# Allegro board 8880F5-0826_3.brd (continued)
## Routing (per net, layer and track width the routed paths; a pad name or vN(x,y) marks a point on that pad's centre or on a via; arc(x,y) is an arc through that point) (continued)
D10701: length 236.2
  TOP w0.086: v1(310.98,176.32) 311.43,176.77 312.68,176.77 313.62,177.71 317.6,177.71 317.68,177.63 SITE4.172
  L03_SIGNAL w0.071: D107.01 383.51,53.37 383.51,50.06 382.79,49.35 379.09,49.35 374.83,53.61 374.83,115.68 385.69,126.54 385.69,140.58 383.8,142.48 383.8,171.12 381.82,173.11 381.82,174.11 381.89,174.18 v1(382.29,174.18)
  L28_SIGNAL w0.071: v1(310.98,176.32) 310.98,176.72 311.05,176.79 327.12,176.79 329.36,179.03 334.09,179.03 338.63,183.56 346.1,183.56 348.56,181.1 348.56,177.27 350.19,175.64 359.38,175.64 362.44,172.57 381.27,172.57 381.82,173.11 381.82,174.11 381.89,174.18 v1(382.29,174.18)
D10702: length 304.1
  TOP w0.086: SITE4.6 324.23,171.48 324.15,171.4 324.15,170.57 319.24,165.66 319.24,162.51 v1(319.69,162.06)
  L03_SIGNAL w0.071: D107.02 386.04,60.92 386.04,61.79 385.55,62.27 379.63,62.27 378.2,63.7 378.2,114.77 388.31,124.88 388.31,141.48 384.99,144.8 384.99,187.49 387.86,190.36 387.86,195.42 387.5,195.78 386.6,195.78 386.52,195.71 v1(386.52,195.31)
  L28_SIGNAL w0.071: v1(386.52,195.31) 386.52,195.71 386.6,195.78 387.74,195.78 388.09,196.12 388.09,198.11 387.48,198.72 384.09,198.72 377.55,192.18 361.38,192.18 360.35,191.15 356.96,191.15 356.64,191.47 356.64,192.16 356.18,192.62 352.85,192.62 350.38,195.09 325.89,195.09 323.57,192.77 318.82,192.77 313.33,187.28 313.33,183.32 312.45,182.45 307.57,182.45 305.02,179.9 305.02,162.02 308.2,158.84 317.64,158.84 319.22,160.42 319.22,161.99 319.29,162.06 v1(319.69,162.06)
D10703: length 236.5
  TOP w0.086: SITE4.171 317.68,178.03 317.6,177.95 313.52,177.95 312.58,177.01 311.43,177.01 v1(310.98,177.46)
  L03_SIGNAL w0.071: v1(381.15,174.18) 381.55,174.18 381.62,174.11 381.62,173.02 383.6,171.04 383.6,142.39 385.5,140.5 385.5,126.62 374.64,115.76 374.64,53.53 379.01,49.15 382.88,49.15 383.7,49.98 383.7,53.5 D107.03
  L28_SIGNAL w0.071: v1(310.98,177.46) 310.98,177.06 311.05,176.99 327.04,176.99 329.27,179.22 334.01,179.22 338.55,183.76 346.18,183.76 348.76,181.18 348.76,177.35 350.27,175.84 359.46,175.84 362.53,172.77 381.19,172.77 381.62,173.2 381.62,174.11 381.55,174.18 v1(381.15,174.18)
D10704: length 302.7
  TOP w0.086: v1(318.55,162.06) 319,162.51 319,165.76 323.91,170.67 323.91,171.4 323.83,171.48 SITE4.5
  L03_SIGNAL w0.071: v1(386.52,196.45) 386.52,196.05 386.6,195.98 387.58,195.98 388.05,195.51 388.05,190.27 385.19,187.41 385.19,144.88 388.51,141.56 388.51,124.8 378.4,114.69 378.4,63.78 379.71,62.47 385.63,62.47 386.24,61.87 386.24,60.8 D107.04
  L28_SIGNAL w0.071: v1(318.55,162.06) 318.95,162.06 319.02,161.99 319.02,160.5 317.55,159.03 308.28,159.03 305.21,162.1 305.21,179.82 307.65,182.25 312.54,182.25 313.52,183.24 313.52,187.2 318.9,192.57 323.66,192.57 325.97,194.89 350.29,194.89 352.77,192.42 356.1,192.42 356.44,192.08 356.44,191.39 356.87,190.96 360.43,190.96 361.46,191.98 377.63,191.98 384.17,198.52 387.39,198.52 387.89,198.03 387.89,196.21 387.66,195.98 386.6,195.98 386.52,196.05 v1(386.52,196.45)
D10713: length 285.7
  TOP w0.086: SITE4.170 317.68,178.43 317.6,178.51 308.05,178.51 v1(307.59,178.06)
  L03_SIGNAL w0.071: D107.13 413.95,53.41 413.95,50.13 415.08,49.01 422.35,49.01 427.83,54.49 427.83,105.58 422.55,110.86 422.55,131.79 411.28,143.07 411.28,146.6 405.35,152.52 402.25,152.52 399.07,155.7 399.07,174.88 397.89,176.07 395.5,176.07 395.03,176.55 395.03,177.28 395.1,177.36 v1(395.5,177.36)
  L28_SIGNAL w0.071: v1(395.5,177.36) 395.1,177.36 395.02,177.28 395.02,176.3 394.58,175.86 387.9,175.86 385.21,178.54 379.26,178.54 377.22,176.5 351.58,176.5 350.08,178 350.08,186.98 347.2,189.86 322.62,189.86 319.88,187.12 319.88,181.46 316.95,178.53 307.67,178.53 307.59,178.46 v1(307.59,178.06)
D10714: length 270.9
  TOP w0.086: SITE4.168 317.68,179.23 317.6,179.31 313.35,179.31 312.18,180.49 311.43,180.49 v1(310.98,180.03)
  L03_SIGNAL w0.071: v1(395.5,190.94) 395.1,190.94 395.03,191.02 395.03,192.01 394.27,192.76 393.11,192.76 392.22,191.87 392.22,152.93 407.34,137.81 407.34,121.6 424.75,104.19 424.75,63.38 423.73,62.36 416.97,62.36 416.49,61.89 416.49,60.89 D107.14
  L28_SIGNAL w0.071: v1(310.98,180.03) 310.98,180.43 311.05,180.51 314.57,180.51 315.99,181.93 318.02,181.93 318.95,182.85 318.95,188.01 322.42,191.48 347.54,191.48 351.15,187.87 355.07,187.87 357.3,190.1 360.42,190.1 362.69,187.84 371.69,187.84 375.83,183.7 389.53,183.7 395.02,189.19 395.02,190.87 395.1,190.94 v1(395.5,190.94)
D10715: length 284.7
  TOP w0.086: SITE4.169 317.68,178.83 317.6,178.75 308.05,178.75 v1(307.59,179.2)
  L03_SIGNAL w0.071: D107.15 414.15,53.47 414.15,50.21 415.16,49.21 422.27,49.21 427.63,54.57 427.63,105.5 422.35,110.78 422.35,131.71 411.08,142.99 411.08,146.51 405.27,152.32 402.17,152.32 398.88,155.61 398.88,174.8 397.8,175.87 395.42,175.87 394.83,176.46 394.83,177.28 394.76,177.36 v1(394.35,177.36)
  L28_SIGNAL w0.071: v1(394.35,177.36) 394.76,177.36 394.83,177.28 394.83,176.38 394.5,176.05 387.98,176.05 385.29,178.74 379.18,178.74 377.14,176.7 351.66,176.7 350.28,178.08 350.28,187.06 347.28,190.06 322.54,190.06 319.68,187.2 319.68,181.54 316.87,178.73 307.67,178.73 307.59,178.8 v1(307.59,179.2)
D10716: length 269.9
  TOP w0.086: v1(310.98,181.18) 311.43,180.72 312.28,180.72 313.45,179.55 317.6,179.55 317.68,179.63 SITE4.167
  L03_SIGNAL w0.071: D107.16 416.69,60.83 416.69,61.8 417.05,62.16 423.81,62.16 424.94,63.3 424.94,104.28 407.54,121.68 407.54,137.89 392.42,153.01 392.42,191.79 393.19,192.56 394.19,192.56 394.83,191.92 394.83,191.02 394.76,190.94 v1(394.35,190.94)
  L28_SIGNAL w0.071: v1(394.35,190.94) 394.76,190.94 394.83,190.87 394.83,189.28 389.45,183.89 375.91,183.89 371.77,188.03 362.77,188.03 360.5,190.3 357.22,190.3 354.98,188.07 351.23,188.07 347.62,191.68 322.34,191.68 318.75,188.09 318.75,182.93 317.94,182.12 315.91,182.12 314.49,180.7 311.05,180.7 310.98,180.77 v1(310.98,181.18)
D10801: length 207.8
  TOP w0.086: SITE4.10 325.83,171.48 325.75,171.4 325.75,168.95 323.58,166.78 323.58,162.51 v1(324.03,162.06)
  L03_SIGNAL w0.071: D108.01 383.49,33.07 383.49,30.59 382.51,29.61 374.13,29.61 355.61,48.13 355.61,131.46 355.91,131.77 356.99,131.77 357.06,131.7 v1(357.06,131.3)
  L28_SIGNAL w0.071: v1(357.06,131.3) 357.06,131.7 357.13,131.77 359.94,131.77 360.34,131.38 360.34,129.97 359.59,129.22 336.01,129.22 331.19,134.05 331.19,145.26 323.56,152.89 323.56,161.99 323.63,162.06 v1(324.03,162.06)
D10802: length 329.2
  TOP w0.086: v1(321.88,159.32) 321.42,159.77 321.42,166.55 324.95,170.08 324.95,171.4 325.03,171.48 SITE4.8
  L03_SIGNAL w0.071: D108.02 385.99,40.55 385.99,43.23 384.79,44.42 376.55,44.42 369.32,51.65 369.32,131.71 373.42,135.81 373.42,155.04 370.43,158.04 370.43,172.14 378.81,180.53 378.81,191.2 374.24,195.78 373.01,195.78 372.94,195.71 v1(372.94,195.31)
  L28_SIGNAL w0.071: v1(321.88,159.32) 321.47,159.32 321.4,159.24 321.4,157.12 320.04,155.76 308.39,155.76 303.03,161.13 303.03,180.08 307.42,184.47 311.52,184.47 312.37,185.33 312.37,188.55 320.83,197.01 350.64,197.01 351.53,196.12 356.09,196.12 357.08,195.13 363.03,195.13 368.12,200.21 374.2,200.21 375.73,198.68 375.73,197.09 374.42,195.78 373.01,195.78 372.94,195.71 v1(372.94,195.31)
D10803: length 209.8
  TOP w0.086: SITE4.9 325.43,171.48 325.51,171.4 325.51,169.05 323.34,166.88 323.34,162.51 v1(322.89,162.06)
  L03_SIGNAL w0.071: v1(357.06,132.44) 357.06,132.04 356.99,131.97 355.83,131.97 355.41,131.55 355.41,48.05 374.05,29.41 382.59,29.41 383.68,30.5 383.68,33.16 D108.03
  L28_SIGNAL w0.071: v1(322.89,162.06) 323.29,162.06 323.36,161.99 323.36,152.81 330.99,145.18 330.99,133.97 335.93,129.02 359.67,129.02 360.53,129.88 360.53,131.46 360.02,131.97 357.13,131.97 357.06,132.04 v1(357.06,132.44)
D10804: length 327.9
  TOP w0.086: v1(320.73,159.32) 321.18,159.77 321.18,166.65 324.71,170.18 324.71,171.4 324.63,171.48 SITE4.7
  L03_SIGNAL w0.071: v1(372.94,196.45) 372.94,196.05 373.01,195.98 374.32,195.98 379.01,191.29 379.01,180.45 370.62,172.06 370.62,158.12 373.62,155.12 373.62,135.72 369.52,131.62 369.52,51.73 376.64,44.62 384.88,44.62 386.19,43.31 386.19,40.53 D108.04
  L28_SIGNAL w0.071: v1(372.94,196.45) 372.94,196.05 373.01,195.98 374.34,195.98 375.53,197.17 375.53,198.6 374.12,200.02 368.2,200.02 363.12,194.93 357,194.93 356,195.92 351.45,195.92 350.56,196.81 320.92,196.81 312.57,188.47 312.57,185.25 311.6,184.27 307.5,184.27 303.23,180 303.23,161.21 308.48,155.96 319.96,155.96 321.2,157.2 321.2,159.24 321.13,159.32 v1(320.73,159.32)
D10805: length 202.1
  TOP w0.086: SITE4.12 326.63,171.48 326.55,171.4 326.55,167.84 325.57,166.86 325.57,159.77 v1(326.02,159.32)
  L03_SIGNAL w0.071: D108.05 393.61,33.11 393.61,30.24 390.59,27.21 372.09,27.21 353.05,46.25 353.05,115.97 341.09,127.93 341.09,131.98 341.29,132.18 342.35,132.18 342.75,131.77 343.4,131.77 343.47,131.7 v1(343.47,131.3)
  L28_SIGNAL w0.071: v1(326.02,159.32) 325.62,159.32 325.55,159.24 325.55,154.82 345.06,135.3 345.06,132.17 344.67,131.77 343.54,131.77 343.47,131.7 v1(343.47,131.3)
D10806: length 246
  TOP w0.086: SITE4.176 317.68,176.03 317.6,176.11 316.22,176.11 312.94,172.83 311.43,172.83 v1(310.98,172.38)
  L03_SIGNAL w0.071: v1(382.29,160.59) 381.89,160.59 381.82,160.66 381.82,161.67 381.43,162.06 379.72,162.06 379.19,161.54 379.19,131.25 371.5,123.56 371.5,53.93 378.64,46.79 394.74,46.79 396.05,45.48 396.05,40.45 D108.06
  L28_SIGNAL w0.071: v1(382.29,160.59) 381.89,160.59 381.82,160.52 381.82,158.03 381.03,157.25 379.84,157.25 379.02,158.06 379.02,163.75 377.56,165.21 362.33,165.21 354.69,172.85 311.05,172.85 310.98,172.78 v1(310.98,172.38)
D10807: length 202.7
  TOP w0.086: v1(324.88,159.32) 325.33,159.77 325.33,166.96 326.31,167.94 326.31,171.4 326.23,171.48 SITE4.11
  L03_SIGNAL w0.071: v1(343.47,132.44) 343.47,132.04 343.4,131.97 342.84,131.97 342.43,132.38 341.21,132.38 340.9,132.06 340.9,127.85 352.85,115.89 352.85,46.17 372.01,27.01 390.67,27.01 393.81,30.15 393.81,33.13 D108.07
  L28_SIGNAL w0.071: v1(343.47,132.44) 343.47,132.04 343.54,131.97 344.58,131.97 344.86,132.25 344.86,135.22 325.35,154.73 325.35,159.24 325.28,159.32 v1(324.88,159.32)
D10808: length 245.1
  TOP w0.086: v1(310.98,173.52) 311.43,173.07 312.84,173.07 316.12,176.35 317.6,176.35 317.68,176.43 SITE4.175
  L03_SIGNAL w0.071: v1(381.15,160.59) 381.55,160.59 381.62,160.66 381.62,161.59 381.34,161.86 379.8,161.86 379.39,161.45 379.39,131.17 371.7,123.48 371.7,54.01 378.72,46.99 394.83,46.99 396.25,45.56 396.25,40.63 D108.08
  L28_SIGNAL w0.071: v1(381.15,160.59) 381.55,160.59 381.62,160.52 381.62,158.11 380.95,157.44 379.92,157.44 379.22,158.14 379.22,163.83 377.65,165.41 362.41,165.41 354.77,173.05 311.05,173.05 310.98,173.12 v1(310.98,173.52)
D10809: length 325.2
  TOP w0.086: v1(307.59,174.42) 308.05,174.88 312.6,174.88 314.63,176.91 317.6,176.91 317.68,176.83 SITE4.174
  L03_SIGNAL w0.071: D108.09 403.77,33.11 403.77,29.65 406.74,26.68 422.81,26.68 442.45,46.33 442.45,149.32 415.69,176.08 408.86,176.08 408.49,176.45 408.49,177.28 408.56,177.36 v1(408.96,177.36)
  L28_SIGNAL w0.071: v1(408.96,177.36) 408.56,177.36 408.49,177.28 408.49,176.35 407.94,175.8 402.23,175.8 395.83,169.4 361.85,169.4 357.08,174.17 322.89,174.17 322.16,174.9 307.67,174.9 307.59,174.83 v1(307.59,174.42)
D10810: length 395.1
  TOP w0.086: SITE4.16 328.23,171.48 328.15,171.4 328.15,163.49 329.52,162.12 329.52,159.77 v1(329.98,159.32)
  L03_SIGNAL w0.071: D108.10 406.28,40.52 406.28,43.76 408.71,46.18 424.79,46.18 436.4,57.79 436.4,134.73 422.87,148.25 413.37,148.25 403.14,158.48 403.14,190.64 399.68,194.1 392.16,194.1 390.49,195.78 389.52,195.78 389.45,195.71 v1(389.45,195.31)
  L28_SIGNAL w0.071: v1(389.45,195.31) 389.45,195.71 389.52,195.78 390.91,195.78 393.2,193.48 414.68,193.48 419.91,188.26 419.91,183.47 425.54,177.83 425.54,156.03 422.97,153.45 375.15,153.45 373.68,154.92 360.8,154.92 359.64,156.08 331.11,156.08 329.5,157.68 329.5,159.24 329.57,159.32 v1(329.98,159.32)
D10811: length 324.2
  TOP w0.086: SITE4.173 317.68,177.23 317.6,177.15 314.53,177.15 312.5,175.12 308.05,175.12 v1(307.59,175.57)
  L03_SIGNAL w0.071: v1(407.82,177.36) 408.22,177.36 408.29,177.28 408.29,176.37 408.78,175.88 415.61,175.88 442.26,149.23 442.26,46.41 422.72,26.88 406.82,26.88 403.97,29.73 403.97,33.13 D108.11
  L28_SIGNAL w0.071: v1(407.82,177.36) 408.22,177.36 408.29,177.28 408.29,176.43 407.86,176 402.15,176 395.74,169.6 361.93,169.6 357.16,174.37 322.97,174.37 322.24,175.1 307.67,175.1 307.59,175.17 v1(307.59,175.57)
D10812: length 396.5
  TOP w0.086: v1(328.83,159.32) 329.28,159.77 329.28,162.02 327.91,163.39 327.91,171.4 327.83,171.48 SITE4.15
  L03_SIGNAL w0.071: v1(389.45,196.45) 389.45,196.05 389.52,195.98 390.57,195.98 392.25,194.3 399.76,194.3 403.34,190.72 403.34,158.56 413.45,148.45 422.95,148.45 436.6,134.81 436.6,57.71 424.87,45.98 408.79,45.98 406.48,43.67 406.48,40.56 D108.12
  L28_SIGNAL w0.071: v1(389.45,196.45) 389.45,196.05 389.52,195.98 390.99,195.98 393.29,193.68 414.77,193.68 420.1,188.34 420.1,183.55 425.74,177.91 425.74,155.95 423.05,153.25 375.07,153.25 373.6,154.72 360.72,154.72 359.56,155.88 331.03,155.88 329.3,157.6 329.3,159.24 329.23,159.32 v1(328.83,159.32)
D10813: length 385.6
  TOP w0.086: SITE4.2 322.63,171.48 322.55,171.4 322.55,171.04 321.9,170.39 308.05,170.39 v1(307.59,169.94)
  L03_SIGNAL w0.071: D108.13 413.93,33.11 413.93,30.08 415.24,28.77 421.54,28.77 440.36,47.6 440.36,134.81 406.64,168.53 406.64,187.63 408.49,189.48 408.49,190.87 408.56,190.94 v1(408.96,190.94)
  L28_SIGNAL w0.071: v1(307.59,169.94) 307.59,170.34 307.67,170.41 324.44,170.41 326.8,168.06 341.14,168.06 343.63,170.55 353.9,170.55 363.14,161.31 374.04,161.31 379.39,155.96 422.84,155.96 424.57,157.69 424.57,176.27 414.16,186.67 411.2,186.67 408.49,189.39 408.49,190.87 408.56,190.94 v1(408.96,190.94)
D10814: length 375.9
  TOP w0.086: v1(327.8,162.06) 327.35,162.51 327.35,171.4 327.43,171.48 SITE4.14
  L03_SIGNAL w0.071: D108.14 416.42,40.5 416.42,42.35 418.12,44.04 428.49,44.04 438.42,53.98 438.42,135.01 405.22,168.21 405.22,195.03 404.47,195.78 403.11,195.78 403.03,195.71 v1(403.03,195.31)
  L28_SIGNAL w0.071: v1(327.8,162.06) 327.4,162.06 327.33,161.99 327.33,157.35 331.69,152.99 338.27,152.99 338.95,153.67 356.54,153.67 357.8,152.41 364.31,152.41 367.65,149.07 409.92,149.07 412.36,151.52 423.41,151.52 428.29,156.4 428.29,189.95 422.47,195.78 403.11,195.78 403.03,195.71 v1(403.03,195.31)
D10815: length 384.2
  TOP w0.086: SITE4.1 322.23,171.48 322.31,171.4 322.31,171.14 321.8,170.63 308.05,170.63 v1(307.59,171.09)
  L03_SIGNAL w0.071: v1(407.82,190.94) 408.22,190.94 408.29,190.87 408.29,189.57 406.44,187.72 406.44,168.45 440.16,134.73 440.16,47.68 421.45,28.97 415.32,28.97 414.13,30.16 414.13,33.13 D108.15
  L28_SIGNAL w0.071: v1(307.59,171.09) 307.59,170.68 307.67,170.61 324.53,170.61 326.88,168.26 341.06,168.26 343.55,170.75 353.98,170.75 363.22,161.51 374.13,161.51 379.48,156.16 422.76,156.16 424.37,157.77 424.37,176.19 414.08,186.48 411.12,186.48 408.29,189.31 408.29,190.87 408.22,190.94 v1(407.82,190.94)
D10816: length 377.2
  TOP w0.086: SITE4.13 327.03,171.48 327.11,171.4 327.11,162.51 v1(326.66,162.06)
  L03_SIGNAL w0.071: D108.16 416.62,40.58 416.62,42.26 418.2,43.84 428.57,43.84 438.62,53.89 438.62,135.09 405.42,168.29 405.42,195.11 404.56,195.98 403.11,195.98 403.03,196.05 v1(403.03,196.45)
  L28_SIGNAL w0.071: v1(403.03,196.45) 403.03,196.05 403.11,195.98 422.55,195.98 428.49,190.04 428.49,156.32 423.49,151.32 412.45,151.32 410,148.87 367.56,148.87 364.22,152.21 357.71,152.21 356.45,153.47 339.03,153.47 338.35,152.79 331.6,152.79 327.13,157.27 327.13,161.99 327.06,162.06 v1(326.66,162.06)
D10901: length 298.5
  TOP w0.086: v1(307.59,229.94) 308.05,230.39 321.9,230.39 322.55,231.04 322.55,231.4 322.63,231.48 SITE2.2
  L03_SIGNAL w0.071: v1(396.77,220.15) 396.37,220.15 396.3,220.08 396.3,219.31 396.79,218.82 398.55,218.82 400.47,220.74 400.47,243.37 425.55,268.46 425.55,336.95 423.75,338.75 420.77,338.75 419.25,337.22 419.25,335.13 D109.01
  L28_SIGNAL w0.071: v1(307.59,229.94) 307.59,230.34 307.67,230.41 322.72,230.41 325.45,233.15 364.91,233.15 385.02,253.26 392.92,253.26 393.34,252.84 393.34,219.39 394.66,218.07 395.46,218.07 396.3,218.9 396.3,220.08 396.37,220.15 v1(396.77,220.15)
D10902: length 205.9
  TOP w0.086: v1(329.98,219.32) 329.52,219.77 329.52,222.12 328.15,223.49 328.15,231.4 328.23,231.48 SITE2.16
  L03_SIGNAL w0.071: D109.02 416.59,327.69 416.59,320.99 419.73,317.85 419.73,277.2 399.69,257.16 399.69,233.01 389.69,223.01 389.69,222.13 389.76,222.06 v1(390.16,222.06)
  L28_SIGNAL w0.071: v1(329.98,219.32) 329.57,219.32 329.5,219.24 329.5,218.07 330.1,217.48 341.35,217.48 342.67,216.15 366.95,216.15 374.72,223.92 389.27,223.92 389.69,223.49 389.69,222.13 389.76,222.06 v1(390.16,222.06)
D10903: length 299.2
  TOP w0.086: v1(307.59,231.08) 308.05,230.63 321.8,230.63 322.31,231.14 322.31,231.4 322.23,231.48 SITE2.1
  L03_SIGNAL w0.071: D109.03 419.05,335.23 419.05,337.31 420.69,338.94 423.84,338.94 425.75,337.03 425.75,268.37 400.66,243.29 400.66,220.65 398.63,218.62 396.71,218.62 396.1,219.23 396.1,220.08 396.03,220.15 v1(395.62,220.15)
  L28_SIGNAL w0.071: v1(307.59,231.08) 307.59,230.68 307.67,230.61 322.63,230.61 325.37,233.35 364.83,233.35 384.94,253.46 393,253.46 393.54,252.92 393.54,219.47 394.74,218.26 395.38,218.26 396.1,218.98 396.1,220.08 396.03,220.15 v1(395.62,220.15)
D10904: length 205.8
  TOP w0.086: SITE2.15 327.83,231.48 327.91,231.4 327.91,223.39 329.28,222.02 329.28,219.77 v1(328.83,219.32)
  L03_SIGNAL w0.071: D109.04 416.4,327.82 416.4,320.91 419.53,317.77 419.53,277.28 399.5,257.25 399.5,233.09 389.49,223.09 389.49,222.13 389.42,222.06 v1(389.02,222.06)
  L28_SIGNAL w0.071: v1(389.02,222.06) 389.42,222.06 389.49,222.13 389.49,223.41 389.18,223.72 374.81,223.72 367.03,215.95 342.59,215.95 341.26,217.28 330.01,217.28 329.3,217.99 329.3,219.24 329.23,219.32 v1(328.83,219.32)
D10905: length 373
  TOP w0.086: SITE2.168 317.68,239.23 317.6,239.31 313.35,239.31 312.18,240.48 311.43,240.48 v1(310.98,240.03)
  L03_SIGNAL w0.071: v1(403.63,235.9) 403.22,235.9 403.15,235.83 403.15,234.96 403.44,234.67 404.82,234.67 405.38,235.22 405.38,238.63 414.01,247.27 416.67,247.27 436.21,266.82 436.21,336.35 430.85,341.71 411.64,341.71 409.06,339.13 409.06,335.16 D109.05
  L28_SIGNAL w0.071: v1(403.63,235.9) 403.22,235.9 403.15,235.83 403.15,234.89 403.73,234.32 408.53,234.32 421.24,247.03 421.24,288.16 418.98,290.42 416.49,290.42 402.99,276.91 371.21,276.91 360.47,266.17 360.47,261.39 355.41,256.32 353.37,256.32 348.4,251.35 322.15,251.35 319.1,248.3 319.1,240.56 317.98,239.45 316.46,239.45 315.4,240.51 311.05,240.51 310.98,240.43 v1(310.98,240.03)
D10906: length 246
  TOP w0.086: SITE2.176 317.68,236.03 317.6,236.11 316.22,236.11 312.94,232.83 311.43,232.83 v1(310.98,232.38)
  L03_SIGNAL w0.071: v1(383.31,206.31) 382.9,206.31 382.83,206.38 382.83,207.22 387.68,212.07 387.68,226.81 397.74,236.88 397.74,270.13 406.52,278.91 406.52,327.78 D109.06
  L28_SIGNAL w0.071: v1(310.98,232.38) 310.98,232.78 310.91,232.85 307.2,232.85 305.12,230.77 305.12,222.51 315.23,212.4 341.8,212.4 342.4,211.81 362.9,211.81 366.73,207.97 382.25,207.97 382.83,207.38 382.83,206.38 382.9,206.31 v1(383.31,206.31)
D10907: length 375.3
  TOP w0.086: SITE2.167 317.68,239.63 317.6,239.55 313.45,239.55 312.28,240.72 311.43,240.72 v1(310.98,241.18)
  L03_SIGNAL w0.071: D109.07 408.86,335.2 408.86,339.22 411.55,341.91 430.93,341.91 436.41,336.43 436.41,266.73 416.75,247.07 414.1,247.07 405.58,238.55 405.58,235.14 404.9,234.47 403.36,234.47 402.95,234.87 402.95,235.83 402.88,235.9 v1(402.48,235.9)
  L28_SIGNAL w0.071: v1(402.48,235.9) 402.88,235.9 402.95,235.83 402.95,234.81 403.65,234.12 408.61,234.12 421.44,246.95 421.44,288.25 419.06,290.62 416.41,290.62 402.9,277.11 371.13,277.11 360.28,266.26 360.28,261.47 355.33,256.52 353.29,256.52 348.32,251.55 322.07,251.55 318.9,248.38 318.9,240.64 317.9,239.64 316.54,239.64 315.48,240.7 311.05,240.7 310.98,240.77 v1(310.98,241.18)
D10908: length 246.3
  TOP w0.086: v1(310.98,233.52) 311.43,233.07 312.84,233.07 316.12,236.35 317.6,236.35 317.68,236.43 SITE2.175
  L03_SIGNAL w0.071: v1(382.16,206.31) 382.56,206.31 382.63,206.38 382.63,207.3 387.48,212.15 387.48,226.89 397.55,236.96 397.55,270.21 406.32,278.99 406.32,327.74 D109.08
  L28_SIGNAL w0.071: v1(382.16,206.31) 382.56,206.31 382.63,206.38 382.63,207.3 382.16,207.77 366.65,207.77 362.82,211.61 342.31,211.61 341.72,212.2 315.14,212.2 304.92,222.43 304.92,230.85 307.11,233.05 310.91,233.05 310.98,233.12 v1(310.98,233.52)
D10909: length 367.3
  TOP w0.086: v1(310.98,236.32) 311.43,236.77 312.68,236.77 313.62,237.71 317.6,237.71 317.68,237.63 SITE2.172
  L03_SIGNAL w0.071: D109.09 398.89,335.17 398.89,338.54 395.9,341.54 377.38,341.54 374.36,338.52 374.36,315.23 379.79,309.8 379.79,219.15 381.01,217.94 382.04,217.94 382.83,218.73 382.83,219.83 382.9,219.9 v1(383.31,219.9)
  L28_SIGNAL w0.071: v1(383.31,219.9) 382.9,219.9 382.83,219.83 382.83,218.62 386.49,214.97 386.49,206.87 391.93,201.43 395.53,201.43 399.18,205.08 399.18,252.01 396.06,255.13 383.35,255.13 372.79,244.58 367.98,244.58 359.05,235.65 349.63,235.65 348.57,236.71 348.57,246.2 345.32,249.46 327.88,249.46 325.63,247.2 325.63,239.45 322.97,236.79 311.05,236.79 310.98,236.72 v1(310.98,236.32)
D10910: length 197.4
  TOP w0.086: v1(326.02,219.32) 325.57,219.77 325.57,226.86 326.55,227.84 326.55,231.4 326.63,231.48 SITE2.12
  L03_SIGNAL w0.071: v1(390.16,238.32) 389.76,238.32 389.69,238.39 389.69,239.72 394.5,244.53 394.5,320.05 396.38,321.92 396.38,327.8 D109.10
  L28_SIGNAL w0.071: v1(390.16,238.32) 389.76,238.32 389.69,238.39 389.69,239.66 390.06,240.03 390.82,240.03 391.46,239.39 391.46,233.42 384.64,226.6 375.06,226.6 366.76,218.3 346.84,218.3 344.46,220.68 328.12,220.68 327.1,219.66 327.1,218.2 326.81,217.91 325.69,217.91 325.55,218.05 325.55,219.24 325.62,219.32 v1(326.02,219.32)
D10911: length 367
  TOP w0.086: v1(310.98,237.46) 311.43,237.01 312.58,237.01 313.52,237.95 317.6,237.95 317.68,238.03 SITE2.171
  L03_SIGNAL w0.071: v1(382.16,219.9) 382.56,219.9 382.63,219.83 382.63,218.81 381.96,218.14 381.09,218.14 379.99,219.24 379.99,309.88 374.56,315.31 374.56,338.44 377.47,341.34 395.81,341.34 398.69,338.46 398.69,335.19 D109.11
  L28_SIGNAL w0.071: v1(310.98,237.46) 310.98,237.06 311.05,236.99 322.89,236.99 325.43,239.53 325.43,247.28 327.8,249.65 345.4,249.65 348.77,246.28 348.77,236.79 349.71,235.85 358.97,235.85 367.9,244.78 372.71,244.78 383.27,255.33 396.14,255.33 399.37,252.1 399.37,204.99 395.61,201.23 391.84,201.23 386.29,206.79 386.29,214.88 382.63,218.54 382.63,219.83 382.56,219.9 v1(382.16,219.9)
D10912: length 198.7
  TOP w0.086: v1(324.88,219.32) 325.33,219.77 325.33,226.96 326.31,227.94 326.31,231.4 326.23,231.48 SITE2.11
  L03_SIGNAL w0.071: D109.12 396.18,327.72 396.18,322.01 394.3,320.13 394.3,244.61 389.49,239.8 389.49,238.39 389.42,238.32 v1(389.02,238.32)
  L28_SIGNAL w0.071: v1(324.88,219.32) 325.28,219.32 325.35,219.24 325.35,217.97 325.61,217.71 326.89,217.71 327.3,218.12 327.3,219.58 328.2,220.49 344.38,220.49 346.76,218.1 366.84,218.1 375.14,226.4 384.72,226.4 391.66,233.34 391.66,239.47 390.9,240.23 389.98,240.23 389.49,239.74 389.49,238.39 389.42,238.32 v1(389.02,238.32)
D10913: length 217.8
  TOP w0.086: v1(327.8,222.06) 327.35,222.51 327.35,231.4 327.43,231.48 SITE2.14
  L03_SIGNAL w0.071: D109.13 388.75,335.15 388.75,337.39 386.78,339.35 379.18,339.35 376.72,336.9 376.72,320.07 386.36,310.43 386.36,272.58 384.26,270.47 384.26,255.56 385.99,253.83 385.99,234.49 386.56,233.91 388.98,233.91 389.69,234.62 389.69,235.58 389.76,235.65 v1(390.16,235.65)
  L28_SIGNAL w0.071: v1(327.8,222.06) 327.4,222.06 327.33,222.13 327.33,225.65 328.91,227.24 342.09,227.24 344.93,230.08 361.4,230.08 363.79,227.7 382.46,227.7 389.69,234.92 389.69,235.58 389.76,235.65 v1(390.16,235.65)
D10914: length 187.2
  TOP w0.086: v1(324.03,222.06) 323.58,222.51 323.58,226.78 325.75,228.95 325.75,231.4 325.83,231.48 SITE2.10
  L03_SIGNAL w0.071: D109.14 386.18,327.76 386.18,319.71 393.32,312.57 393.32,261.91 388.89,257.48 388.89,256.4 389.69,255.6 389.69,251.98 389.76,251.9 v1(390.16,251.9)
  L28_SIGNAL w0.071: v1(324.03,222.06) 323.63,222.06 323.56,222.13 323.56,225.58 326.48,228.5 340.53,228.5 343.09,231.07 363.46,231.07 365.11,229.42 375.74,229.42 378.65,232.34 378.65,243.38 381.6,246.33 385.59,246.33 389.69,250.43 389.69,251.83 389.76,251.9 v1(390.16,251.9)
D10915: length 216.6
  TOP w0.086: SITE2.13 327.03,231.48 327.11,231.4 327.11,222.51 v1(326.66,222.06)
  L03_SIGNAL w0.071: D109.15 388.55,335.21 388.55,337.31 386.7,339.16 379.26,339.16 376.92,336.82 376.92,320.15 386.56,310.51 386.56,272.5 384.45,270.39 384.45,255.65 386.19,253.91 386.19,234.57 386.64,234.11 388.9,234.11 389.49,234.7 389.49,235.58 389.42,235.65 v1(389.02,235.65)
  L28_SIGNAL w0.071: v1(389.02,235.65) 389.42,235.65 389.49,235.58 389.49,235 382.38,227.89 363.87,227.89 361.49,230.28 344.85,230.28 342,227.43 328.83,227.43 327.13,225.73 327.13,222.13 327.06,222.06 v1(326.66,222.06)
D10916: length 187.2
  TOP w0.086: SITE2.9 325.43,231.48 325.51,231.4 325.51,229.05 323.34,226.88 323.34,222.51 v1(322.89,222.06)
  L03_SIGNAL w0.071: v1(389.02,251.9) 389.42,251.9 389.49,251.98 389.49,255.52 388.69,256.32 388.69,257.56 393.13,261.99 393.13,312.48 385.98,319.63 385.98,327.76 D109.16
  L28_SIGNAL w0.071: v1(322.89,222.06) 323.29,222.06 323.36,222.13 323.36,225.66 326.4,228.7 340.44,228.7 343.01,231.27 363.55,231.27 365.19,229.62 375.66,229.62 378.45,232.42 378.45,243.46 381.52,246.53 385.51,246.53 389.49,250.51 389.49,251.83 389.42,251.9 v1(389.02,251.9)
D11001: length 367.8
  TOP w0.086: v1(307.59,234.42) 308.05,234.88 312.6,234.88 314.63,236.91 317.6,236.91 317.68,236.83 SITE2.174
  L03_SIGNAL w0.071: v1(396.77,206.57) 396.37,206.57 396.3,206.49 396.3,205.46 396.97,204.78 401.98,204.78 441.67,244.48 441.67,347.26 430.2,358.74 420.01,358.74 419.15,357.88 419.15,355.55 D110.01
  L28_SIGNAL w0.071: v1(396.77,206.57) 396.37,206.57 396.3,206.49 396.3,204.21 395.67,203.59 394.05,203.59 393.57,204.06 393.57,209.67 397.93,214.02 397.93,250.32 394.07,254.19 384.09,254.19 373.29,243.38 368.68,243.38 359.37,234.06 322.76,234.06 321.92,234.9 307.67,234.9 307.59,234.83 v1(307.59,234.42)
D11002: length 332.9
  TOP w0.086: v1(307.59,238.06) 308.05,238.51 317.6,238.51 317.68,238.43 SITE2.170
  L03_SIGNAL w0.071: D110.02 416.79,348.21 416.79,346.3 417.92,345.17 431.56,345.17 438.89,337.84 438.89,265.8 407.64,234.55 407.64,227.97 403.15,223.49 403.15,222.39 403.22,222.31 v1(403.63,222.31)
  L28_SIGNAL w0.071: v1(307.59,238.06) 307.59,238.46 307.67,238.53 318.66,238.53 320.18,240.04 320.18,247.73 322.8,250.36 347.39,250.36 349.85,247.89 349.85,238.57 351.31,237.11 358.08,237.11 366.76,245.79 371.81,245.79 382.04,256.02 396.95,256.02 400.17,252.8 400.17,221.5 401.39,220.28 402.49,220.28 403.15,220.94 403.15,222.24 403.22,222.31 v1(403.63,222.31)
D11003: length 368.7
  TOP w0.086: v1(307.59,235.57) 308.05,235.12 312.5,235.12 314.53,237.15 317.6,237.15 317.68,237.23 SITE2.173
  L03_SIGNAL w0.071: v1(395.62,206.57) 396.03,206.57 396.1,206.49 396.1,205.37 396.88,204.59 402.06,204.59 441.87,244.39 441.87,347.35 430.28,358.93 419.93,358.93 418.96,357.96 418.96,355.46 D110.03
  L28_SIGNAL w0.071: v1(395.62,206.57) 396.03,206.57 396.1,206.49 396.1,204.29 395.59,203.79 394.13,203.79 393.77,204.14 393.77,209.59 398.13,213.94 398.13,250.41 394.15,254.38 384.01,254.38 373.2,243.58 368.6,243.58 359.29,234.26 322.84,234.26 322.01,235.1 307.67,235.1 307.59,235.17 v1(307.59,235.57)
D11004: length 332.7
  TOP w0.086: v1(307.59,239.2) 308.05,238.75 317.6,238.75 317.68,238.83 SITE2.169
  L03_SIGNAL w0.071: D110.04 416.59,347.95 416.59,346.22 417.83,344.97 431.48,344.97 438.69,337.76 438.69,265.89 407.44,234.63 407.44,228.05 402.95,223.57 402.95,222.39 402.88,222.31 v1(402.48,222.31)
  L28_SIGNAL w0.071: v1(402.48,222.31) 402.88,222.31 402.95,222.24 402.95,221.02 402.41,220.48 401.47,220.48 400.37,221.59 400.37,252.89 397.03,256.22 381.96,256.22 371.73,245.99 366.67,245.99 357.99,237.31 351.39,237.31 350.05,238.65 350.05,247.98 347.47,250.56 322.72,250.56 319.98,247.81 319.98,240.13 318.58,238.73 307.67,238.73 307.59,238.8 v1(307.59,239.2)
D11013: length 256.5
  TOP w0.086: v1(321.88,219.32) 321.42,219.77 321.42,226.55 324.95,230.08 324.95,231.4 325.03,231.48 SITE2.8
  L03_SIGNAL w0.071: v1(376.45,221.81) 376.05,221.81 375.98,221.73 375.98,220.6 375.42,220.05 373.55,220.05 372.68,220.91 372.68,305.08 370.18,307.58 370.18,354.72 373.94,358.48 386.96,358.48 388.76,356.69 388.76,355.46 D110.13
  L28_SIGNAL w0.071: v1(376.45,221.81) 376.05,221.81 375.97,221.88 375.97,222.53 376.27,222.83 378.26,222.83 380.05,221.04 380.05,216.37 376.67,212.99 361.67,212.99 360.82,213.84 344.32,213.84 343.37,214.8 323.7,214.8 321.4,217.09 321.4,219.24 321.47,219.32 v1(321.88,219.32)
D11014: length 209.4
  TOP w0.086: SITE2.6 324.23,231.48 324.15,231.4 324.15,230.57 319.24,225.66 319.24,222.51 v1(319.69,222.06)
  L03_SIGNAL w0.071: v1(376.45,235.39) 376.05,235.39 375.97,235.47 375.97,236.28 376.44,236.75 377.52,236.75 378.41,237.64 378.41,307.17 373.54,312.03 373.54,340.87 376.91,344.24 383.95,344.24 386.21,346.5 386.21,348.11 D110.14
  L28_SIGNAL w0.071: v1(376.45,235.39) 376.05,235.39 375.98,235.32 375.98,234.19 372.65,230.86 365.69,230.86 364.26,232.29 327.02,232.29 319.22,224.49 319.22,222.13 319.29,222.06 v1(319.69,222.06)
D11015: length 256.6
  TOP w0.086: SITE2.7 324.63,231.48 324.71,231.4 324.71,230.18 321.18,226.65 321.18,219.77 v1(320.73,219.32)
  L03_SIGNAL w0.071: D110.15 388.56,355.54 388.56,356.6 386.88,358.29 374.02,358.29 370.38,354.64 370.38,307.66 372.88,305.16 372.88,221 373.63,220.25 375.34,220.25 375.78,220.68 375.78,221.73 375.71,221.81 v1(375.3,221.81)
  L28_SIGNAL w0.071: v1(320.73,219.32) 321.13,219.32 321.2,219.24 321.2,217.01 323.62,214.6 343.29,214.6 344.24,213.64 360.74,213.64 361.59,212.79 376.76,212.79 380.25,216.28 380.25,221.12 378.34,223.02 376.19,223.02 375.78,222.61 375.78,221.88 375.71,221.81 v1(375.3,221.81)
D11016: length 209.4
  TOP w0.086: SITE2.5 323.83,231.48 323.91,231.4 323.91,230.67 319,225.76 319,222.51 v1(318.55,222.06)
  L03_SIGNAL w0.071: D110.16 386.01,348.05 386.01,346.58 383.86,344.44 376.83,344.44 373.34,340.95 373.34,311.95 378.21,307.08 378.21,237.72 377.44,236.95 376.36,236.95 375.78,236.37 375.78,235.47 375.71,235.39 v1(375.3,235.39)
  L28_SIGNAL w0.071: v1(318.55,222.06) 318.95,222.06 319.02,222.13 319.02,224.57 326.94,232.49 364.34,232.49 365.77,231.06 372.57,231.06 375.78,234.27 375.78,235.32 375.71,235.39 v1(375.3,235.39)
D12501: length 376
  TOP w0.086: SITE1.170 237.68,238.43 237.6,238.51 228.05,238.51 v1(227.59,238.06)
  L03_SIGNAL w0.071: v1(198.18,257.03) 198.18,257.43 198.11,257.5 197.34,257.5 196.86,257.02 196.86,256.31 195.85,255.29 82.18,255.29 10.46,183.57 10.46,92.73 11.69,91.5 13.96,91.5 15.16,92.69 15.16,94.06 D125.01
  L28_SIGNAL w0.071: v1(198.18,257.03) 198.18,257.43 198.26,257.5 199.48,257.5 202.42,254.55 207.75,254.55 210.07,252.23 210.07,243.08 211.86,241.29 223.19,241.29 225.95,238.53 227.52,238.53 227.59,238.46 v1(227.59,238.06)
D12502: length 368
  TOP w0.086: SITE1.2 242.63,231.48 242.55,231.4 242.55,231.04 241.9,230.39 228.05,230.39 v1(227.59,229.94)
  L03_SIGNAL w0.071: D125.02 17.71,101.53 17.71,119.48 20.25,122.02 20.25,188.08 78.56,246.39 143.9,246.39 148.81,251.29 160.72,251.29 162.18,252.75 178.17,252.75 184.76,246.16 196.1,246.16 196.9,245.36 196.9,244.4 196.29,243.78 195.33,243.78 195.26,243.71 v1(195.26,243.31)
  L28_SIGNAL w0.071: v1(227.59,229.94) 227.59,230.34 227.52,230.41 225.39,230.41 223.72,228.74 223.72,227.58 222.7,226.56 211.56,226.56 204.56,233.57 204.56,241.66 200.32,245.89 197.6,245.89 196.96,245.25 196.96,244.37 196.38,243.78 195.33,243.78 195.26,243.71 v1(195.26,243.31)
D12503: length 377
  TOP w0.086: SITE1.169 237.68,238.83 237.6,238.75 228.05,238.75 v1(227.59,239.2)
  L03_SIGNAL w0.071: D125.03 15.36,94.1 15.36,92.61 14.05,91.3 11.61,91.3 10.26,92.65 10.26,183.65 82.1,255.49 195.76,255.49 196.67,256.39 196.67,257.11 197.26,257.7 198.11,257.7 198.18,257.77 v1(198.18,258.17)
  L28_SIGNAL w0.071: v1(198.18,258.17) 198.18,257.77 198.26,257.7 199.56,257.7 202.51,254.75 207.83,254.75 210.26,252.32 210.26,243.16 211.94,241.49 223.28,241.49 226.04,238.73 227.52,238.73 227.59,238.8 v1(227.59,239.2)
D12504: length 366.6
  TOP w0.086: SITE1.1 242.23,231.48 242.31,231.4 242.31,231.14 241.8,230.63 228.05,230.63 v1(227.59,231.08)
  L03_SIGNAL w0.071: D125.04 17.91,101.47 17.91,119.4 20.45,121.94 20.45,188 78.64,246.19 143.98,246.19 148.89,251.1 160.8,251.1 162.26,252.55 178.09,252.55 184.68,245.96 196.02,245.96 196.7,245.27 196.7,244.48 196.21,243.98 195.33,243.98 195.26,244.05 v1(195.26,244.46)
  L28_SIGNAL w0.071: v1(195.26,244.46) 195.26,244.05 195.33,243.98 196.3,243.98 196.76,244.45 196.76,245.33 197.52,246.09 200.41,246.09 204.75,241.74 204.75,233.65 211.65,226.76 222.61,226.76 223.52,227.66 223.52,228.82 225.31,230.61 227.52,230.61 227.59,230.68 v1(227.59,231.08)
D12505: length 397.6
  TOP w0.086: v1(230.98,240.03) 231.43,240.48 232.18,240.48 233.36,239.31 237.6,239.31 237.68,239.23 SITE1.168
  L03_SIGNAL w0.071: D125.05 25.3,94.08 25.3,91.89 21.58,88.16 10.18,88.16 7.63,90.71 7.63,185.7 81.6,259.66 208.56,259.66 210.72,257.5 211.7,257.5 211.77,257.43 v1(211.77,257.03)
  L28_SIGNAL w0.071: v1(230.98,240.03) 230.98,240.43 230.91,240.51 229.64,240.51 226.77,243.38 226.77,250.88 220.14,257.5 211.84,257.5 211.77,257.43 v1(211.77,257.03)
D12506: length 343.7
  TOP w0.086: v1(227.59,234.42) 228.05,234.88 232.6,234.88 234.63,236.91 237.6,236.91 237.68,236.83 SITE1.174
  L03_SIGNAL w0.071: D125.06 27.82,101.48 27.82,123.88 30.95,127.01 30.95,193.96 68.65,231.66 85.66,231.66 91.29,237.28 140.27,237.28 152.54,249.55 179.28,249.55 182.96,245.87 182.96,244.09 182.66,243.78 181.75,243.78 181.67,243.71 v1(181.67,243.31)
  L28_SIGNAL w0.071: v1(181.67,243.31) 181.67,243.71 181.75,243.78 182.84,243.78 186.56,247.5 201.98,247.5 212.1,237.37 222.46,237.37 224.94,234.9 227.52,234.9 227.59,234.83 v1(227.59,234.42)
D12507: length 398.5
  TOP w0.086: v1(230.98,241.18) 231.43,240.72 232.28,240.72 233.45,239.55 237.6,239.55 237.68,239.63 SITE1.167
  L03_SIGNAL w0.071: v1(211.77,258.17) 211.77,257.77 211.7,257.7 210.8,257.7 208.64,259.86 81.52,259.86 7.44,185.78 7.44,90.62 10.09,87.96 21.66,87.96 25.5,91.81 25.5,94.08 D125.07
  L28_SIGNAL w0.071: v1(211.77,258.17) 211.77,257.77 211.84,257.7 220.22,257.7 226.96,250.96 226.96,243.47 229.73,240.7 230.91,240.7 230.98,240.77 v1(230.98,241.18)
D12508: length 342.8
  TOP w0.086: SITE1.173 237.68,237.23 237.6,237.15 234.53,237.15 232.5,235.12 228.05,235.12 v1(227.59,235.57)
  L03_SIGNAL w0.071: v1(181.67,244.46) 181.67,244.05 181.75,243.98 182.57,243.98 182.76,244.17 182.76,245.79 179.2,249.36 152.62,249.36 140.35,237.09 91.37,237.09 85.75,231.46 68.74,231.46 31.15,193.88 31.15,126.93 28.02,123.8 28.02,101.52 D125.08
  L28_SIGNAL w0.071: v1(181.67,244.46) 181.67,244.05 181.75,243.98 182.76,243.98 186.47,247.7 202.06,247.7 212.19,237.57 222.55,237.57 225.02,235.1 227.52,235.1 227.59,235.17 v1(227.59,235.57)
D12509: length 373.1
  TOP w0.086: SITE1.6 244.23,231.48 244.15,231.4 244.15,230.57 239.24,225.66 239.24,222.51 v1(239.69,222.06)
  L03_SIGNAL w0.071: D125.09 35.47,94.07 35.47,92.85 40.11,88.21 53.73,88.21 57.32,91.81 57.32,178.58 87.63,208.89 129.45,208.89 160.86,240.29 206.84,240.29 210.34,243.78 211.95,243.78 212.03,243.71 v1(212.03,243.31)
  L28_SIGNAL w0.071: v1(239.69,222.06) 239.29,222.06 239.22,222.13 239.22,234.56 234.89,238.89 229.74,238.89 223.28,245.35 223.28,251.32 222.11,252.49 213.11,252.49 210.94,250.33 210.94,244.11 211.27,243.79 211.95,243.79 212.03,243.71 v1(212.03,243.31)
D12510: length 336.7
  TOP w0.086: SITE1.172 237.68,237.63 237.6,237.71 233.62,237.71 232.68,236.77 231.43,236.77 v1(230.98,236.32)
  L03_SIGNAL w0.071: D125.10 38.01,101.51 38.01,126.37 40.67,129.03 40.67,198.47 67.51,225.32 114.82,225.32 119.2,229.7 138.53,229.7 156.16,247.33 178.11,247.33 180.1,245.35 180.1,244.33 179.55,243.78 178.57,243.78 178.5,243.71 v1(178.5,243.31)
  L28_SIGNAL w0.071: v1(178.5,243.31) 178.5,243.71 178.57,243.78 179.55,243.78 180.21,244.45 180.21,247.25 182.22,249.26 202.04,249.26 210.81,240.49 222.11,240.49 225.82,236.79 230.91,236.79 230.98,236.72 v1(230.98,236.32)
D12511: length 371.8
  TOP w0.086: SITE1.5 243.83,231.48 243.91,231.4 243.91,230.67 239,225.76 239,222.51 v1(238.55,222.06)
  L03_SIGNAL w0.071: v1(212.03,244.46) 212.03,244.05 211.95,243.98 210.25,243.98 206.76,240.49 160.78,240.49 129.37,209.09 87.55,209.09 57.13,178.66 57.13,91.89 53.65,88.41 40.19,88.41 35.67,92.93 35.67,94.09 D125.11
  L28_SIGNAL w0.071: v1(238.55,222.06) 238.95,222.06 239.02,222.13 239.02,234.48 234.81,238.7 229.66,238.7 223.08,245.27 223.08,251.24 222.02,252.3 213.19,252.3 211.14,250.24 211.14,244.19 211.35,243.98 211.95,243.98 212.03,244.05 v1(212.03,244.46)
D12512: length 335.7
  TOP w0.086: v1(230.98,237.46) 231.43,237.01 232.58,237.01 233.52,237.95 237.6,237.95 237.68,238.03 SITE1.171
  L03_SIGNAL w0.071: v1(178.5,244.46) 178.5,244.05 178.57,243.98 179.47,243.98 179.9,244.41 179.9,245.26 178.03,247.13 156.24,247.13 138.61,229.5 119.29,229.5 114.91,225.12 67.59,225.12 40.86,198.39 40.86,128.95 38.21,126.29 38.21,101.49 D125.12
  L28_SIGNAL w0.071: v1(178.5,244.46) 178.5,244.05 178.57,243.98 179.46,243.98 180.01,244.53 180.01,247.34 182.13,249.46 202.12,249.46 210.89,240.69 222.19,240.69 225.9,236.99 230.91,236.99 230.98,237.06 v1(230.98,237.46)
D12513: length 354.7
  TOP w0.086: v1(241.88,219.32) 241.42,219.77 241.42,226.55 244.95,230.08 244.95,231.4 245.03,231.48 SITE1.8
  L03_SIGNAL w0.071: v1(198.44,243.31) 198.44,243.71 198.37,243.78 197.71,243.78 197.02,243.09 197.02,242.68 195.98,241.64 159.19,241.64 130.62,213.07 107.74,213.07 105.82,211.14 75.31,211.14 54.87,190.7 54.87,92.78 53.72,91.62 47.01,91.62 45.64,92.99 45.64,94.06 D125.13
  L28_SIGNAL w0.071: v1(241.88,219.32) 241.47,219.32 241.4,219.24 241.4,218.15 240.45,217.19 234.54,217.19 232.99,218.74 229.09,218.74 222.39,225.44 211.07,225.44 202.95,233.56 202.95,240.15 199.31,243.78 198.51,243.78 198.44,243.71 v1(198.44,243.31)
D12514: length 336.6
  TOP w0.086: SITE1.176 237.68,236.03 237.6,236.11 236.22,236.11 232.94,232.83 231.43,232.83 v1(230.98,232.38)
  L03_SIGNAL w0.071: v1(164.91,243.31) 164.91,243.71 164.98,243.78 165.87,243.78 166.34,244.25 166.34,245.64 165.8,246.19 160.08,246.19 134.83,220.94 97.4,220.94 96.01,222.34 69.52,222.34 49.98,202.8 49.98,130.27 48.17,128.46 48.17,101.51 D125.14
  L28_SIGNAL w0.071: v1(164.91,243.31) 164.91,243.71 164.98,243.78 165.98,243.78 168.12,241.65 187.17,241.65 192.21,246.69 201.34,246.69 206.18,241.85 206.18,235.08 208.65,232.62 213.32,232.62 215.98,229.95 223.48,229.95 226.38,232.85 230.91,232.85 230.98,232.78 v1(230.98,232.38)
D12515: length 354.1
  TOP w0.086: v1(240.73,219.32) 241.18,219.77 241.18,226.65 244.71,230.18 244.71,231.4 244.63,231.48 SITE1.7
  L03_SIGNAL w0.071: v1(198.44,244.46) 198.44,244.05 198.37,243.98 197.63,243.98 196.82,243.17 196.82,242.76 195.9,241.84 159.11,241.84 130.53,213.27 107.66,213.27 105.74,211.34 75.23,211.34 54.67,190.79 54.67,92.86 53.63,91.82 47.09,91.82 45.84,93.08 45.84,94.1 D125.15
  L28_SIGNAL w0.071: v1(240.73,219.32) 241.13,219.32 241.2,219.24 241.2,218.23 240.36,217.39 234.62,217.39 233.08,218.93 229.17,218.93 222.47,225.64 211.15,225.64 203.15,233.64 203.15,240.23 199.4,243.98 198.51,243.98 198.44,244.05 v1(198.44,244.46)
D12516: length 335.6
  TOP w0.086: SITE1.175 237.68,236.43 237.6,236.35 236.12,236.35 232.84,233.07 231.43,233.07 v1(230.98,233.52)
  L03_SIGNAL w0.071: D125.16 48.37,101.49 48.37,128.38 50.18,130.19 50.18,202.72 69.6,222.14 95.92,222.14 97.32,220.74 134.91,220.74 160.16,245.99 165.71,245.99 166.14,245.56 166.14,244.33 165.79,243.98 164.98,243.98 164.91,244.05 v1(164.91,244.46)
  L28_SIGNAL w0.071: v1(164.91,244.46) 164.91,244.05 164.98,243.98 166.07,243.98 168.2,241.85 187.09,241.85 192.13,246.89 201.42,246.89 206.38,241.93 206.38,235.17 208.73,232.82 213.4,232.82 216.06,230.15 223.4,230.15 226.3,233.05 230.91,233.05 230.98,233.12 v1(230.98,233.52)
D12609: length 379.5
  TOP w0.086: SITE1.12 246.63,231.48 246.55,231.4 246.55,227.84 245.57,226.86 245.57,219.77 v1(246.02,219.32)
  L03_SIGNAL w0.071: v1(164.91,229.6) 164.91,230 164.84,230.07 162.72,230.07 161.13,228.49 161.13,200.83 137.25,176.94 99.91,176.94 98.24,178.61 88.45,178.61 70.45,160.61 70.45,79.26 59.12,67.93 38.8,67.93 35.44,71.28 35.44,73.78 D126.09
  L28_SIGNAL w0.071: v1(164.91,229.6) 164.91,230 164.98,230.07 165.83,230.07 169.52,233.76 184.9,233.76 196.88,221.78 221.81,221.78 225.68,217.91 225.68,216.17 227.29,214.57 243.35,214.57 245.55,216.77 245.55,219.24 245.62,219.32 v1(246.02,219.32)
D12610: length 369.4
  TOP w0.086: SITE1.14 247.43,231.48 247.35,231.4 247.35,222.51 v1(247.8,222.06)
  L03_SIGNAL w0.071: v1(195.26,229.6) 195.26,230 195.33,230.07 196.4,230.07 196.92,230.59 196.92,236.69 194.4,239.2 162.81,239.2 124.77,201.16 95.52,201.16 60.45,166.08 60.45,91.21 55.28,86.05 41.21,86.05 37.99,82.83 37.99,81.17 D126.10
  L28_SIGNAL w0.071: v1(195.26,229.6) 195.26,230 195.33,230.07 196.43,230.07 196.76,229.75 196.76,228.45 198.52,226.69 208.01,226.69 211.06,223.64 222.09,223.64 227.82,217.91 227.82,216.2 228.35,215.67 240.53,215.67 243.18,218.32 243.18,219.56 241.52,221.22 241.52,222.63 242.51,223.62 247.74,223.62 249.38,221.99 249.38,221.02 248.82,220.46 247.95,220.46 247.33,221.08 247.33,221.99 247.4,222.06 v1(247.8,222.06)
D12611: length 378.9
  TOP w0.086: SITE1.11 246.23,231.48 246.31,231.4 246.31,227.94 245.33,226.96 245.33,219.77 v1(244.88,219.32)
  L03_SIGNAL w0.071: D126.11 35.64,73.74 35.64,71.37 38.88,68.13 59.04,68.13 70.25,79.34 70.25,160.69 88.37,178.81 98.32,178.81 99.99,177.14 137.16,177.14 160.94,200.91 160.94,228.57 162.63,230.27 164.84,230.27 164.91,230.34 v1(164.91,230.74)
  L28_SIGNAL w0.071: v1(244.88,219.32) 245.28,219.32 245.35,219.24 245.35,216.85 243.27,214.77 227.37,214.77 225.88,216.25 225.88,217.99 221.89,221.98 196.96,221.98 184.98,233.96 169.43,233.96 165.74,230.27 164.98,230.27 164.91,230.34 v1(164.91,230.74)
D12612: length 369.4
  TOP w0.086: SITE1.13 247.03,231.48 247.11,231.4 247.11,222.51 v1(246.66,222.06)
  L03_SIGNAL w0.071: D126.12 38.19,81.19 38.19,82.74 41.29,85.85 55.36,85.85 60.64,91.13 60.64,166 95.61,200.96 124.85,200.96 162.89,239.01 194.32,239.01 196.72,236.6 196.72,230.67 196.32,230.27 195.33,230.27 195.26,230.34 v1(195.26,230.74)
  L28_SIGNAL w0.071: v1(246.66,222.06) 247.06,222.06 247.13,221.99 247.13,221 247.87,220.26 248.9,220.26 249.58,220.94 249.58,222.07 247.83,223.82 242.43,223.82 241.32,222.71 241.32,221.14 242.98,219.48 242.98,218.4 240.44,215.87 228.43,215.87 228.01,216.28 228.01,218 222.17,223.84 211.14,223.84 208.09,226.88 198.6,226.88 196.96,228.53 196.96,229.83 196.52,230.27 195.33,230.27 195.26,230.34 v1(195.26,230.74)
D12613: length 376.9
  TOP w0.086: SITE1.10 245.83,231.48 245.75,231.4 245.75,228.95 243.58,226.78 243.58,222.51 v1(244.03,222.06)
  L03_SIGNAL w0.071: v1(178.5,229.6) 178.5,230 178.43,230.07 177.25,230.07 174.96,232.35 162.04,232.35 158.09,228.41 158.09,203.22 140.71,185.83 117.36,185.83 111.9,180.38 85.49,180.38 66.95,161.84 66.95,80 57.78,70.83 46.49,70.83 45.61,71.71 45.61,73.77 D126.13
  L28_SIGNAL w0.071: v1(244.03,222.06) 243.63,222.06 243.56,221.99 243.56,220.75 243.89,220.42 246.49,220.42 247.48,219.43 247.48,215.4 245.57,213.48 225.07,213.48 223.38,215.17 223.38,218.05 221.64,219.79 190.42,219.79 188.74,221.48 188.74,227.44 183.92,232.26 180.63,232.26 180.14,231.77 180.14,230.55 179.65,230.07 178.57,230.07 178.5,230 v1(178.5,229.6)
D12614: length 373
  TOP w0.086: SITE1.16 248.23,231.48 248.15,231.4 248.15,223.49 249.52,222.12 249.52,219.77 v1(249.98,219.32)
  L03_SIGNAL w0.071: D126.14 48.15,81.17 48.15,82.29 50,84.14 57.91,84.14 63.94,90.17 63.94,164.49 93.11,193.65 140.83,193.65 155.28,208.1 155.28,229.1 161.65,235.47 180.51,235.47 183.42,232.56 183.42,230.73 182.76,230.07 181.75,230.07 181.67,230 v1(181.67,229.6)
  L28_SIGNAL w0.071: v1(181.67,229.6) 181.67,230 181.75,230.07 182.73,230.07 186.63,226.17 186.63,211.03 189.34,208.33 220.98,208.33 223.56,210.91 223.56,211.77 224.35,212.56 246.55,212.56 249.5,215.51 249.5,219.24 249.57,219.32 v1(249.98,219.32)
D12615: length 376.3
  TOP w0.086: v1(242.89,222.06) 243.34,222.51 243.34,226.88 245.51,229.05 245.51,231.4 245.43,231.48 SITE1.9
  L03_SIGNAL w0.071: v1(178.5,230.74) 178.5,230.34 178.43,230.27 177.33,230.27 175.05,232.55 161.96,232.55 157.9,228.49 157.9,203.3 140.63,186.03 117.27,186.03 111.82,180.58 85.4,180.58 66.75,161.92 66.75,80.08 57.7,71.03 46.57,71.03 45.81,71.79 45.81,73.75 D126.15
  L28_SIGNAL w0.071: v1(178.5,230.74) 178.5,230.34 178.57,230.27 179.57,230.27 179.94,230.63 179.94,231.85 180.55,232.46 184,232.46 188.93,227.53 188.93,221.56 190.51,219.99 221.72,219.99 223.58,218.13 223.58,215.25 225.15,213.68 245.48,213.68 247.28,215.48 247.28,219.34 246.41,220.22 243.81,220.22 243.36,220.67 243.36,221.99 243.29,222.06 v1(242.89,222.06)
D12616: length 371.7
  TOP w0.086: SITE1.15 247.83,231.48 247.91,231.4 247.91,223.39 249.28,222.02 249.28,219.77 v1(248.83,219.32)
  L03_SIGNAL w0.071: D126.16 48.35,81.19 48.35,82.2 50.08,83.94 57.99,83.94 64.14,90.09 64.14,164.4 93.19,193.45 140.91,193.45 155.48,208.02 155.48,229.02 161.73,235.27 180.43,235.27 183.22,232.48 183.22,230.81 182.67,230.27 181.75,230.27 181.67,230.34 v1(181.67,230.74)
  L28_SIGNAL w0.071: v1(181.67,230.74) 181.67,230.34 181.75,230.27 182.81,230.27 186.83,226.25 186.83,211.12 189.42,208.52 220.89,208.52 223.36,211 223.36,211.85 224.27,212.76 246.47,212.76 249.3,215.59 249.3,219.24 249.23,219.32 v1(248.83,219.32)
D12901: length 282.2
  TOP w0.086: SITE3.174 237.68,176.83 237.6,176.91 234.63,176.91 232.6,174.88 228.05,174.88 v1(227.59,174.42)
  L03_SIGNAL w0.071: v1(181.67,161.52) 181.67,161.93 181.6,162 180.58,162 179.9,162.68 179.9,163.52 179.12,164.29 140.5,164.29 83.38,107.17 83.38,92.99 84.53,91.84 87.97,91.84 88.79,92.65 88.79,94.09 D129.01
  L28_SIGNAL w0.071: v1(227.59,174.42) 227.59,174.83 227.67,174.9 228.41,174.9 228.83,174.48 228.83,171.72 230.19,170.36 233.61,170.36 238.77,175.52 238.77,188.22 236.49,190.5 229.07,190.5 226.44,187.87 224.94,187.87 223.25,189.57 223.25,191.3 222.16,192.4 211.1,192.4 204.46,185.76 183.04,185.76 179.92,182.63 179.92,162.53 180.45,162 181.6,162 181.67,161.93 v1(181.67,161.52)
D12902: length 205.5
  TOP w0.086: v1(227.59,169.94) 228.05,170.39 241.9,170.39 242.55,171.04 242.55,171.4 242.63,171.48 SITE3.2
  L03_SIGNAL w0.071: D129.02 91.31,101.47 91.31,109.34 118.7,136.73 130.88,136.73 154.1,159.94 184.78,159.94 189,164.17 196.43,164.17 196.89,163.7 196.89,162.43 196.46,162 195.33,162 195.26,161.93 v1(195.26,161.52)
  L28_SIGNAL w0.071: v1(195.26,161.52) 195.26,161.93 195.33,162 196.55,162 196.88,161.67 196.88,160.54 197.56,159.86 207.49,159.86 209.2,158.15 220.9,158.15 225.53,162.78 225.53,169.89 226.06,170.41 227.52,170.41 227.59,170.34 v1(227.59,169.94)
D12903: length 281.9
  TOP w0.086: SITE3.173 237.68,177.23 237.6,177.15 234.53,177.15 232.5,175.12 228.05,175.12 v1(227.59,175.57)
  L03_SIGNAL w0.071: v1(181.67,162.67) 181.67,162.27 181.6,162.2 180.67,162.2 180.09,162.77 180.09,163.6 179.21,164.49 140.42,164.49 83.18,107.25 83.18,92.9 84.44,91.64 88.06,91.64 88.99,92.57 88.99,94.07 D129.03
  L28_SIGNAL w0.071: v1(227.59,175.57) 227.59,175.17 227.67,175.1 228.49,175.1 229.03,174.56 229.03,171.8 230.27,170.55 233.53,170.55 238.57,175.6 238.57,188.14 236.41,190.31 229.16,190.31 226.53,187.68 224.86,187.68 223.05,189.48 223.05,191.22 222.07,192.2 211.18,192.2 204.54,185.56 183.12,185.56 180.11,182.55 180.11,162.61 180.53,162.2 181.6,162.2 181.67,162.27 v1(181.67,162.67)
D12904: length 204.1
  TOP w0.086: v1(227.59,171.09) 228.05,170.63 241.8,170.63 242.31,171.14 242.31,171.4 242.23,171.48 SITE3.1
  L03_SIGNAL w0.071: D129.04 91.51,101.53 91.51,109.26 118.78,136.53 130.97,136.53 154.18,159.74 184.86,159.74 189.09,163.97 196.35,163.97 196.7,163.62 196.7,162.51 196.38,162.2 195.33,162.2 195.26,162.27 v1(195.26,162.67)
  L28_SIGNAL w0.071: v1(227.59,171.09) 227.59,170.68 227.52,170.61 225.98,170.61 225.34,169.97 225.34,162.87 220.82,158.35 209.28,158.35 207.57,160.06 197.64,160.06 197.08,160.62 197.08,161.75 196.64,162.2 195.33,162.2 195.26,162.27 v1(195.26,162.67)
D12905: length 249.7
  TOP w0.086: SITE3.168 237.68,179.23 237.6,179.31 233.36,179.31 232.18,180.49 231.43,180.49 v1(230.98,180.03)
  L03_SIGNAL w0.071: D129.05 99.06,93.98 99.06,91.59 96.64,89.17 84.56,89.17 80.83,92.9 80.83,110.26 140.06,169.49 162.97,169.49 164.36,170.89 202.14,170.89 211.03,162 212.21,162 212.28,161.93 v1(212.28,161.52)
  L28_SIGNAL w0.071: v1(230.98,180.03) 230.98,180.43 230.91,180.51 217.82,180.51 216.39,179.08 216.39,164.31 214.08,162 212.35,162 212.28,161.93 v1(212.28,161.52)
D12906: length 190.7
  TOP w0.086: SITE3.170 237.68,178.43 237.6,178.51 228.05,178.51 v1(227.59,178.06)
  L03_SIGNAL w0.071: D129.06 101.55,101.55 101.55,104.26 155.34,158.05 186.11,158.05 188.02,159.96 198.85,159.96 199.99,161.09 199.99,161.63 199.62,162 198.76,162 198.69,161.93 v1(198.69,161.52)
  L28_SIGNAL w0.071: v1(198.69,161.52) 198.69,161.93 198.76,162 199.85,162 201.14,163.29 206.13,163.29 209.73,159.68 219.75,159.68 223.74,163.67 223.74,178.25 224.03,178.53 227.52,178.53 227.59,178.46 v1(227.59,178.06)
D12907: length 250.6
  TOP w0.086: SITE3.167 237.68,179.63 237.6,179.55 233.45,179.55 232.28,180.72 231.43,180.72 v1(230.98,181.18)
  L03_SIGNAL w0.071: v1(212.28,162.67) 212.28,162.27 212.21,162.2 211.11,162.2 202.22,171.09 164.28,171.09 162.88,169.69 139.98,169.69 80.63,110.34 80.63,92.82 84.47,88.97 96.72,88.97 99.26,91.51 99.26,94.18 D129.07
  L28_SIGNAL w0.071: v1(212.28,162.67) 212.28,162.27 212.35,162.2 214,162.2 216.19,164.39 216.19,179.16 217.74,180.7 230.91,180.7 230.98,180.77 v1(230.98,181.18)
D12908: length 191
  TOP w0.086: SITE3.169 237.68,178.83 237.6,178.75 228.05,178.75 v1(227.59,179.2)
  L03_SIGNAL w0.071: D129.08 101.74,101.46 101.74,104.18 155.42,157.85 186.19,157.85 188.1,159.76 198.94,159.76 200.18,161.01 200.18,161.72 199.7,162.2 198.76,162.2 198.69,162.27 v1(198.69,162.67)
  L28_SIGNAL w0.071: v1(198.69,162.67) 198.69,162.27 198.76,162.2 199.77,162.2 201.06,163.48 206.21,163.48 209.82,159.88 219.67,159.88 223.54,163.75 223.54,178.33 223.94,178.73 227.52,178.73 227.59,178.8 v1(227.59,179.2)
